# Allegro board hdk2_0-hmd-2-pvt-l8-0526p1530.brd (continued)
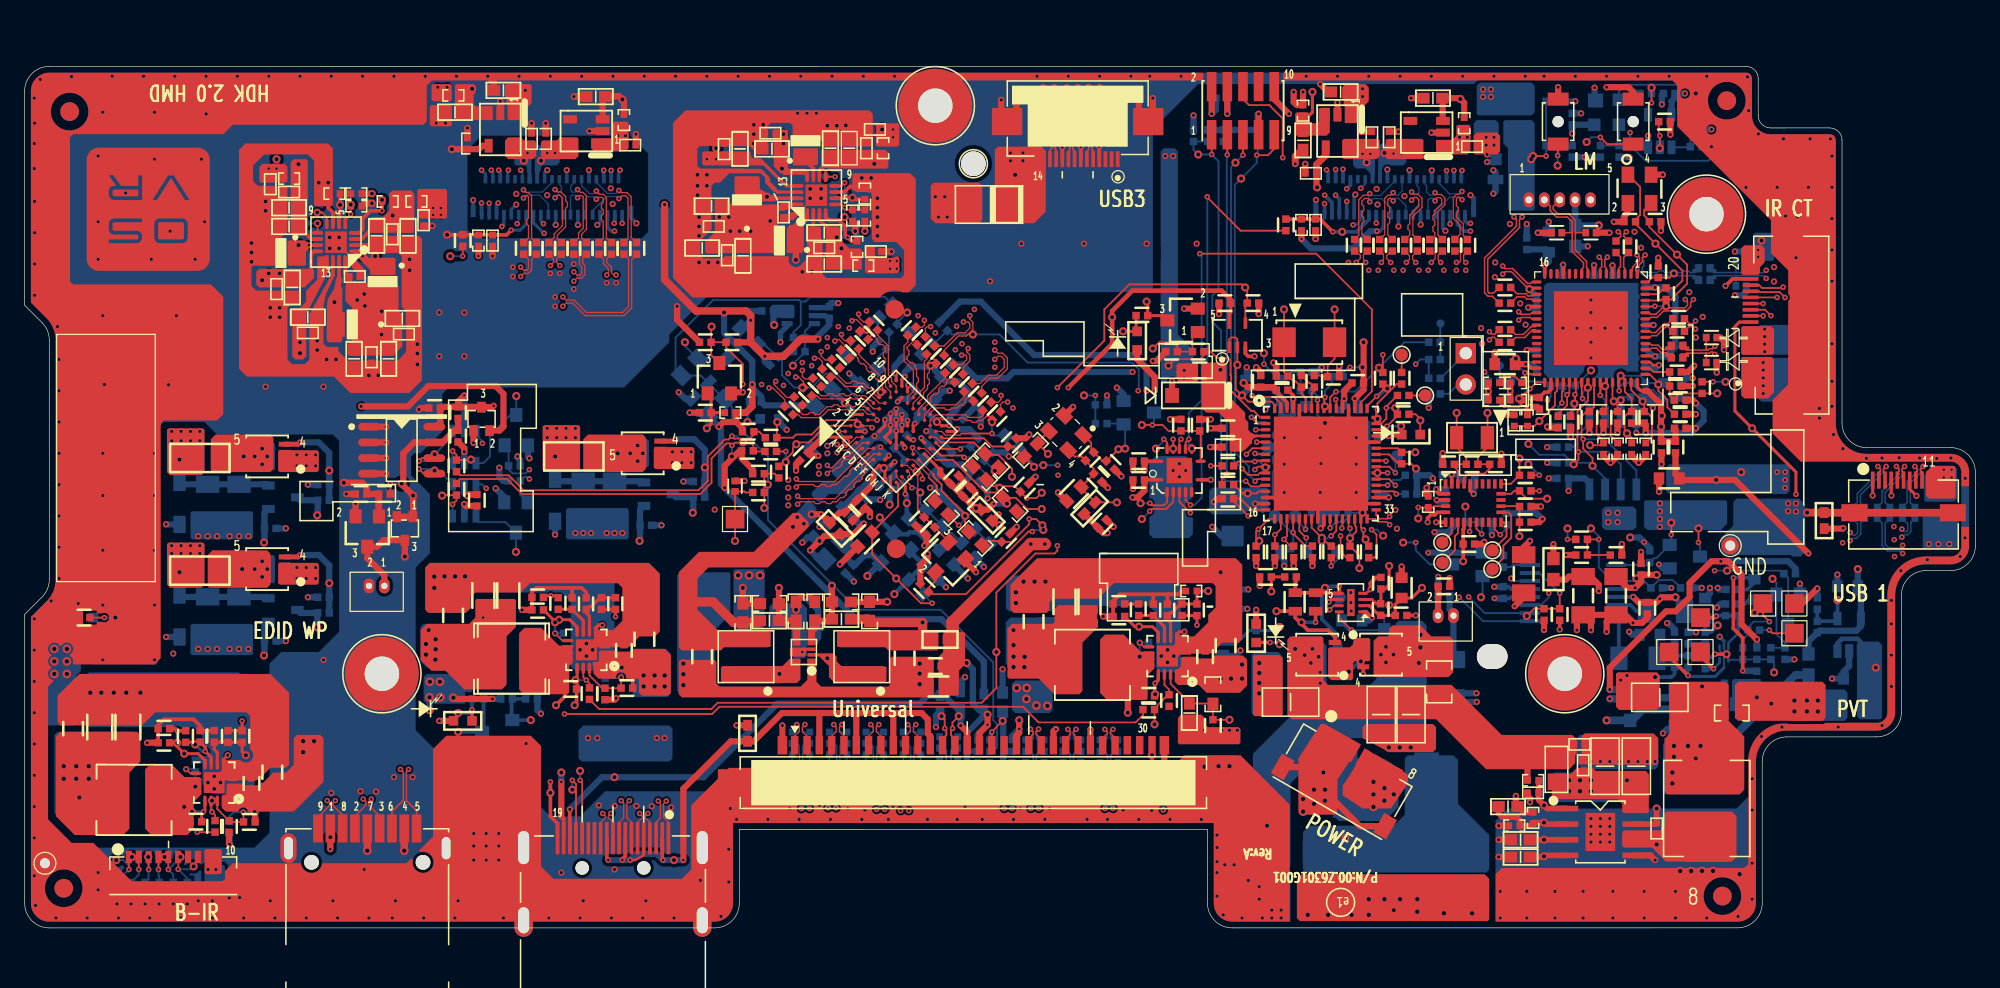
[diagram p0: board, top side]
## Routing (per net, layer and track width the routed paths; a pad name or vN(x,y) marks a point on that pad's centre or on a via; arc(x,y) is an arc through that point) (continued)
LED3: length 171.9
  TOP w0.152: J69.3 v2(10.06,4.74) ; v2(141.09,50.68) J68.14
  L4_IN2 w0.152: v2(141.09,50.68) 141.51,50.68 142.39,49.8 142.39,42.95 138.78,39.34 138.78,33.17 140.21,31.74 140.21,27.52 137.57,24.87 135.25,24.87 134.52,25.6 122.63,25.6 121.95,24.91 117.57,24.91 112.19,19.53 106.32,19.53 104.44,17.65 89.2,17.65 88.41,16.86 81.15,16.86 80.16,17.85 72.79,17.85 72.03,18.61 54.1,18.61 52.4,16.91 40.66,16.91 39.19,15.44 27.18,15.44 23.1,11.36 19.11,11.36 14.43,6.67 11.99,6.67 v2(10.06,4.74)
  BOTTOM w0.152: C1005.2 10.06,3.97 v2(10.06,4.74) 10.06,5.16 10.03,5.19 v1(10.03,5.76)
LED4: length 172.6
  TOP w0.152: J69.4 v2(10.86,4.74) ; v2(142.23,51.18) J68.15
  L4_IN2 w0.152: v2(10.86,4.74) 12.49,6.37 14.63,6.37 17.17,8.91 17.85,8.91 20,11.05 23.23,11.05 27.3,15.13 39.31,15.13 40.79,16.6 52.52,16.6 54.22,18.31 71.9,18.31 72.67,17.54 80.03,17.54 81.02,16.55 88.54,16.55 89.33,17.34 104.57,17.34 106.44,19.21 112.3,19.21 117.7,24.61 122.07,24.61 122.76,25.29 134.39,25.29 135.12,24.55 137.69,24.55 140.52,27.38 140.52,31.87 139.09,33.3 139.09,39.21 142.69,42.82 142.69,50.72 v2(142.23,51.18)
  BOTTOM w0.152: C1006.2 10.92,4.2 10.86,4.25 v2(10.86,4.74) 10.86,5.27 v1(11.35,5.76)
LED5: length 175.4
  TOP w0.152: v2(142.87,51.17) 142.43,51.61 140.82,51.61 140.75,51.68 J68.16 ; J69.5 v2(11.66,4.74)
  L4_IN2 w0.152: v2(142.87,51.17) 143,51.05 143,42.69 139.39,39.09 139.39,33.44 140.84,31.99 140.84,26.26 137.69,23.11 130.4,23.11 128.52,24.99 122.89,24.99 122.2,24.3 117.88,24.3 112.47,18.89 106.55,18.89 104.7,17.04 90.18,17.04 88.8,15.65 80.48,15.65 78.9,17.24 72.54,17.24 71.78,18 54.35,18 52.65,16.3 40.91,16.3 39.44,14.83 27.43,14.83 23.35,10.75 20.12,10.75 17.98,8.6 17.29,8.6 14.75,6.06 12.98,6.06 v2(11.66,4.74)
  BOTTOM w0.152: C1007.2 12.06,4.34 v2(11.66,4.74) 12.68,5.76 v1(12.65,5.76)
LED6: length 175.7
  TOP w0.152: J68.17 140.77,52.18 141.01,51.94 142.65,51.94 v2(142.72,52.01) ; J69.6 v2(12.46,4.76)
  L4_IN2 w0.152: v2(142.72,52.01) 143.3,51.43 143.3,42.57 139.76,39.02 139.76,33.51 141.14,32.12 141.14,26.13 137.82,22.8 130.27,22.8 128.39,24.68 123.19,24.68 122.42,23.92 117.98,23.92 112.63,18.57 106.66,18.57 104.81,16.72 90.3,16.72 88.93,15.35 80.35,15.35 78.76,16.93 72.41,16.93 71.65,17.7 54.48,17.7 52.78,15.99 41.04,15.99 39.57,14.52 27.56,14.52 23.48,10.44 20.27,10.44 18.13,8.3 17.42,8.3 14.88,5.76 13.46,5.76 v2(12.46,4.76)
  BOTTOM w0.152: C1008.2 13.2,4.02 v2(12.46,4.76) 13.48,4.76 v1(13.71,5)
LTC_G1: length 6.4
  TOP w0.305: Q20.4 106.34,23.62 105.79,24.17 104.14,24.17 103.12,25.19 R508.2 v1(101.6,25.71)
LTC_G2: length 8.4
  TOP w0.305: Q19.4 v2(108.64,20.61) ; R507.1 v2(104.77,24.81)
  L3_IN1 w0.305: v2(108.64,20.61) 108.64,20.94 v2(104.77,24.81)
  BOTTOM w0.305: v2(104.77,24.81) v1(103.63,24.81)
LTC_GATE: length 12.1
  TOP w0.305: R511.1 103.21,28.11 103.12,28.02 R508.1 R507.2 105.66,27.21 105.71,27.16 U45.5 106.69,27.71 v2(106.68,27.73)
  BOTTOM w0.305: D9.2 106.55,23.79 105.28,25.06 105.28,27.35 v1(105.53,27.6) 105.66,27.73 v2(106.68,27.73)
LTC_OV: length 6.6
  TOP w0.254: v1(113.41,27.6) 112.58,26.78 C632.1 111.24,26.26 R513.1 110.07,25.37 R512.2 109.91,25.38 109.14,26.16 U45.2
LTC_SHDNN: length 8
  TOP w0.152: U45.8 106.69,25.17 107.69,24.18 v2(107.69,24.17)
  BOTTOM w0.152: C602.1 106.89,24.72 107.44,24.17 v2(107.69,24.17) 110.21,24.17 R509.2 110.35,25.17 110.74,25.56 v1(110.74,26.21)
LTC_UV: length 5.1
  TOP w0.254: v1(110.74,29.38) 110.74,27.86 110.4,27.51 R510.2 110.08,26.35 R512.1 109.68,26.32 109.34,26.66 U45.3
MCU_EDID_R: length 12.2
  TOP w0.152: v1(92.83,45.64) 93.37,46.17 95.4,46.17 95.72,46.49 R1092.1 96.26,46.78 96.77,46.27 97.66,46.27 97.86,46.07 97.86,44.87 97.91,44.82 97.91,43.6 99.56,41.95 99.77,41.95 100.29,41.44 U12.1
MCU_LEVEL SHIFT_OE: length 19.4
  TOP w0.152: U12.63 101.95,42.56 101.42,43.1 99.72,43.1 v2(99.62,43.2)
  L4_IN2 w0.152: v2(99.62,43.2) 99.16,43.2 98.62,42.66 87.46,42.66 v2(86.9,43.22)
  BOTTOM w0.152: v1(85.98,43.22) v2(86.9,43.22) R749.2 R751.2
MCU_PANEL_RESET: length 41.6
  TOP w0.152: v2(94.48,39.67) 94.22,39.41 U55.10 ; U12.50 108.45,42.66 109.34,43.55 109.34,50.21 104.82,54.73 v2(95.37,54.73)
  BOTTOM w0.152: v2(95.37,54.73) 95.53,54.58 95.53,42.84 94.48,41.8 v2(94.48,39.67) 94.48,39.16 v1(94.74,38.91)
MCU_WP_DIS: length 82.8
  TOP w0.152: R1148.1 v2(29.68,36.07) ; U12.5 v2(99.99,39.44)
  L3_IN1 w0.152: v2(99.99,39.44) 97.6,41.83 91.06,41.83 85.98,36.75 v2(83.87,36.75)
  L4_IN2 w0.152: v2(29.68,36.07) 31.9,33.85 36.55,33.85 37.26,34.56 59.13,34.56 64.39,39.82 66.39,39.82 66.93,39.29 66.93,38.65 68.37,37.2 72.84,37.2 75.05,39.41 80.77,39.41 83.44,36.75 v2(83.87,36.75)
  BOTTOM w0.152: v2(29.68,36.07) v1(30.6,36.07)
MIC_GND: length 2.4
  TOP w0.508: J18.2 114.71,27.09 114.72,27.09 R548.1
MIC_IN: length 6
  TOP w0.305: TP37.1 137.17,25.19 v2(137.28,25.3)
  BOTTOM w0.203: U33.3 138.27,23.13 139.07,23.93
  BOTTOM w0.305: 139.07,25.35 139.07,23.93 ; 139.07,25.35 R464.1 ; 139.07,25.35 R547.2 137.33,25.35 v2(137.28,25.3)
MIC_IN_C: length 2.5
  BOTTOM w0.305: 139.08,26.29 139.59,26.29 139.95,26.65 C639.2 v1(140.39,25.58)
MIC_IN_R: length 42
  TOP w0.305: v2(139.44,20.87) 139.44,23.54 138.68,24.3 v2(138.68,28.43)
  L4_IN2 w0.305: v2(138.68,28.43) 127.19,28.43 125.42,26.66 120.09,26.66 119.33,25.9 116.52,25.9 J18.1
  BOTTOM w0.305: v2(138.68,28.43) 140.27,28.43 C639.1 140.39,28.05 139.82,27.48 R465.2
  BOTTOM w0.508: C577.2 J18.1 115.96,25.56 115.66,25.86 C578.1 ; v2(139.44,20.87) 140.55,20.87 R463.1
MIC_RESEETN: length 13.7
  BOTTOM w0.152: U35.1 135.14,63.37 R286.2 R287.2 R271.2 135.19,66.66 135.63,67.1 v1(135.63,67.73) 135.63,68.12 135.3,68.45 129.92,68.45 129.39,67.92 U7.2
MIPI_L_DSI0_0N: length 5.6
  TOP w0.104: R1114.1 69.21,48.13 70.1,47.24 70.1,44.87 70.35,44.62 70.35,44.37 70.74,43.99 U57.B9
MIPI_L_DSI0_0P: length 5.6
  TOP w0.104: R1115.1 68.45,47.82 68.71,48.08 68.91,48.08 69.19,47.79 69.19,47.58 69.41,47.36 69.63,47.36 69.85,47.14 69.85,46.82 69.7,46.67 69.7,46.36 69.85,46.21 69.85,45.9 69.7,45.75 69.7,45.44 69.85,45.29 69.85,44.77 70.1,44.52 70.1,44.26 70.28,44.09 U57.A9
MIPI_L_DSI0_1N: length 5
  TOP w0.104: R1112.1 67.69,46.55 69.67,44.57 69.87,44.36 69.87,43.93 70.28,43.53 U57.B8
MIPI_L_DSI0_1P: length 5
  TOP w0.104: U57.A8 69.82,43.63 69.62,43.83 69.62,44.26 69.4,44.48 69.19,44.48 68.96,44.7 68.96,44.91 68.74,45.13 68.53,45.13 68.31,45.36 68.31,45.57 68.09,45.79 67.88,45.79 67.66,46.01 67.66,46.22 67.32,46.55 67.13,46.55 66.93,46.36 R1113.1
MIPI_L_DSI0_2N: length 5.9
  TOP w0.102: U57.B6 68.9,42.14 68.09,42.94
  TOP w0.104: 68.09,42.94 64.56,42.94 64.31,43.2 R1108.1
MIPI_L_DSI0_2P: length 5.9
  TOP w0.102: 66.51,43.32 66.63,43.2 66.94,43.2 67.09,43.35 67.41,43.35 67.55,43.2 68.2,43.2 68.56,42.83 68.66,42.83 U57.A6
  TOP w0.104: 66.51,43.32 66.48,43.35 66.17,43.35 66.02,43.2 65.71,43.2 65.56,43.35 65.25,43.35 65.1,43.2 64.66,43.2 64.33,43.53 64.33,43.71 64.59,43.96 R1109.1
MIPI_L_DSI0_3N: length 7.1
  TOP w0.104: R1106.1 62.78,41.67 63.04,41.42 64.59,41.42 65.23,42.06 68.07,42.06 68.44,41.68 U57.B5
MIPI_L_DSI0_3P: length 7.1
  TOP w0.102: U57.A5 68.34,42.14 68.17,42.31 67.99,42.31 67.92,42.38
  TOP w0.104: R1107.1 62.9,42.22 62.9,41.91 63.14,41.67 63.56,41.67 63.71,41.82 64.02,41.82 64.17,41.67 64.49,41.67 65.12,42.31 65.53,42.31 65.68,42.46 65.99,42.46 66.14,42.31 66.45,42.31 66.6,42.46 66.91,42.46 67.06,42.31 67.37,42.31 67.52,42.46 67.84,42.46 67.92,42.38
MIPI_L_DSI0_CN: length 5.3
  TOP w0.104: U57.B7 69.35,42.6 67.99,43.96 66.57,43.96 65.81,44.72 R1110.1
MIPI_L_DSI0_CP: length 5.3
  TOP w0.104: U57.A7 69.27,43.06 69.26,43.06 69.25,43.06 68.92,43.39 68.92,43.6 68.7,43.82 68.49,43.82 68.1,44.21 67.6,44.21 67.45,44.36 67.14,44.36 66.99,44.21 66.68,44.21 65.79,45.1 65.79,45.27 66,45.48 R1111.1
MIPI_R_DSI1_0N: length 5.5
  TOP w0.104: R1124.1 77.77,41.6 77.61,41.45 76.56,41.45 76.35,41.65 73.94,41.65 73.49,41.21 U57.H9
MIPI_R_DSI1_0P: length 5.5
  TOP w0.104: U57.H10 73.95,41.31 74.04,41.39 74.35,41.39 74.5,41.25 74.82,41.25 74.97,41.39 75.28,41.39 75.43,41.25 75.74,41.25 75.89,41.39 76.25,41.39 76.45,41.19 76.76,41.19 76.91,41.04 77.23,41.04 77.38,41.19 77.72,41.19 78.05,41.52 78.33,41.52 78.53,41.32 R1125.1
MIPI_R_DSI1_1N: length 4.7
  TOP w0.104: U57.G9 73.03,41.69 73.81,42.46 75.58,42.46 76.25,43.12 R1122.1
MIPI_R_DSI1_1P: length 4.7
  TOP w0.104: U57.G10 73.49,41.79 73.91,42.21 74.62,42.21 74.77,42.06 75.08,42.06 75.23,42.21 75.69,42.21 75.92,42.44 76.13,42.44 76.35,42.66 76.35,42.87 76.6,43.12 76.83,43.12 77.01,42.95 R1123.1
MIPI_R_DSI1_2N: length 4.9
  TOP w0.104: R1118.1 73.2,46.17 73.02,45.99 73.02,43.86 72.69,43.53 72.69,43.17 72.11,42.6 U57.E9
MIPI_R_DSI1_2P: length 4.9
  TOP w0.104: R1119.1 73.96,46.02 73.81,46.17 73.56,46.17 73.28,45.89 73.28,45.57 73.43,45.42 73.43,45.11 73.28,44.96 73.28,44.65 73.43,44.5 73.43,44.19 73.28,44.04 73.28,43.75 72.95,43.42 72.95,43.07 72.57,42.7 U57.E10
MIPI_R_DSI1_3N: length 6.1
  TOP w0.104: U57.D9 71.65,43.08 72.13,43.55 72.13,45.26 71.37,46.02 71.37,47.24 71.67,47.54 R1116.1
MIPI_R_DSI1_3P: length 6.1
  TOP w0.104: R1117.1 72.44,47.49 72.26,47.67 72.16,47.67 71.62,47.14 71.62,47 71.77,46.85 71.77,46.53 71.62,46.38 71.62,46.12 71.85,45.9 72.06,45.9 72.28,45.68 72.28,45.47 72.39,45.36 72.39,44.79 72.54,44.65 72.54,44.33 72.39,44.18 72.39,43.45 72.11,43.18 U57.D10
MIPI_R_DSI1_CN: length 4.3
  TOP w0.104: U57.F9 72.57,42.14 73.28,42.84 73.28,43.2 74.72,44.65 R1120.1
MIPI_R_DSI1_CP: length 4.2
  TOP w0.104: U57.F10 73.03,42.24 73.53,42.74 73.53,43.1 73.75,43.32 73.96,43.32 74.18,43.54 74.18,43.75 74.4,43.97 74.62,43.97 74.84,44.19 74.84,44.4 75.08,44.65 75.28,44.65 75.48,44.44 R1121.1
NHOLD: length 8.4
  BOTTOM w0.152: U47.7 128.27,36.49 127,37.76 R527.1 125.31,38.05 124.96,38.4 122.93,38.4 v1(122.04,39.29)
NRST: length 55.5
  TOP w0.152: J6.6 98.88,67.28 99.36,66.79 101.01,66.79 102.1,65.7 v2(102.1,62.53) ; v2(104.93,42.84) 104.95,42.82 U12.57
  L4_IN2 w0.152: v2(104.93,42.84) 104.93,43.13 105.97,44.16 109.58,44.16 118.49,53.07 118.49,61.13 116.2,63.42 102.99,63.42 v2(102.1,62.53)
  BOTTOM w0.152: v1(105.53,40.99) 104.93,41.59 v2(104.93,42.84) 104.93,43.16 R303.2
NRST_R: length 63.7
  L3_IN1 w0.152: v2(130.3,64.56) 129.49,63.75 122.65,63.75 118.74,59.84 118.74,51.72 116.95,49.93 114.91,49.93 112.01,47.03 109.93,47.03 109.55,46.65 109.55,45.97 108.48,44.9 101.44,44.9 v2(100.58,45.76)
  BOTTOM w0.152: v2(130.3,64.56) 130.3,63.54 131.57,62.27 136.65,62.27 137.36,62.98 137.36,65.37 136.52,66.21 R271.1 ; v1(100.58,46.65) v2(100.58,45.76) 101.72,44.62 D7.A 102.36,44.62 102.87,45.13 R309.1 R303.1 103.54,43.46 104.01,43 C220.1
NWP: length 2.3
  BOTTOM w0.152: R526.1 129.79,43.1 v1(129.54,42.84) 129.54,41.45
OSC_REFCLK: length 8.5
  TOP w0.152: U57.K9 74.51,39.74 77.85,39.74 78.51,39.08 C759.1 80.26,39.08 R804.1 v1(81.92,37.42)
OVDD_COM_L: length 5.8
  BOTTOM w0.254: J20.4 38,61.38 v2(37.87,61.51)
  BOTTOM w0.305: J20.5 38.3,58.72 v2(38.43,58.84) ; v2(38.48,61.51) 38.6,61.39 J20.6 ; J20.34 v2(47,61.5) ; J20.35 47.3,56.88 47.62,56.56 v2(47.88,56.56) ; J20.36 v2(47.6,61.49)
  vias: v2(33.14,58.44) v2(33.14,57.88) v2(33.78,58.44) v2(33.78,57.88)
OVDD_COM_R: length 5.5
  BOTTOM w0.305: J71.34 v2(115.4,61.48) ; J71.36 v2(116,61.49) ; J71.4 v2(106.4,61.56) ; J71.5 106.7,59.17 v2(106.39,59.48) ; v2(115.69,57.14) 115.69,57.12 115.7,57.12 J71.35 ; J71.6 v2(107,61.59)
  vias: v2(70.23,54.15) v2(70.23,53.51) v2(70.79,54.15) v2(70.79,53.51)
OVSS_COM_L: length 5.7
  BOTTOM w0.254: J20.38 48.2,61.38 v2(48.33,61.51) ; v2(37.08,61.51) 37.4,61.19 J20.2
  BOTTOM w0.305: J20.39 v2(48.5,57.19) ; J20.3 v2(37.7,58.83) ; v2(37.08,58.84) 37.08,57.91 J20.1 ; J20.37 47.9,57.24 v2(47.85,57.19)
  BOTTOM w0.508: v2(20.44,61.64) v1(20.44,62.4)
  vias: v2(19.81,61.64)
OVSS_COM_R: length 8.3
  BOTTOM w0.305: J71.38 116.6,61.43 v2(116.66,61.49) ; J71.37 116.3,57.1 116.84,56.56 v2(117.34,56.56) ; J71.2 105.8,61.4 v2(105.66,61.54) ; v2(105.51,59.48) 106.1,58.89 J71.3 ; v2(117.34,57.19) 117.09,57.19 116.9,57.39 J71.39 ; J71.1 v2(105.5,58.79)
  BOTTOM w0.508: v2(70.48,64.81) v1(69.59,64.81)
  vias: v2(70.48,64.18)
PANEL_RESET: length 101.5
  TOP w0.152: v2(94.61,34.33) 94.22,34.72 U55.5 ; R830.1 98.69,56.6 95.98,59.3 v2(95.98,59.35) ; R65.2 v2(35.56,54.53)
  L6_IN3 w0.152: v2(95.98,59.35) 83.05,59.35 75.82,52.11 55.62,52.11 52.32,55.42 36.45,55.42 v2(35.56,54.53)
  BOTTOM w0.152: v2(94.61,34.33) 94.94,34.33 95.53,34.92 95.53,42.23 95.98,42.69 v2(95.98,59.35) ; v2(35.56,54.53) v1(34.54,54.53)
PC_I2C_SCL: length 56.4
  TOP w0.152: U12.17 100.97,33.2 v2(100.14,32.37) 99.95,32.17 R353.2 ; v2(122.93,35.48) R468.2
  L4_IN2 w0.152: v2(112.9,45.76) 115.82,42.84 119,42.84 120.39,44.24 122.95,44.24 124.02,43.17 124.02,42.23 124.71,41.55 124.71,36.62 123.57,35.48 v2(122.93,35.48) 122.81,35.48 120.6,37.69 113.02,37.69 112.35,38.36 109.96,38.36 105.28,33.67 101.44,33.67 v2(100.14,32.37)
  BOTTOM w0.152: v2(112.9,45.76) 113.28,46.14 R539.1 R531.1 ; v1(100.2,31.41) 100.2,32.3 v2(100.14,32.37)
PC_I2C_SCL_CON: length 2.9
  BOTTOM w0.152: R539.2 R553.2 114.89,49.05 TP104.1
PC_I2C_SCL_R: length 4.1
  TOP w0.152: v1(123.57,34.84) 121.92,34.84 121.32,35.44 R468.1 120.9,35.48 120.66,35.24 U41.19
PC_I2C_SD_CON: length 2.2
  BOTTOM w0.152: R540.2 R554.2 119.72,45.62 TP105.1
PC_I2C_SDA: length 44.3
  TOP w0.152: U12.16 99.58,33.94 98.68,34.84 R94.2 98.13,34.63 v2(99.31,33.44) ; v2(122.93,36.75) R469.2
  L4_IN2 w0.152: v2(99.31,33.44) 99.56,33.44 100.3,34.18 105.32,34.18 109.82,38.68 112.49,38.68 113.18,37.99 120.8,37.99 122.04,36.75 v2(122.93,36.75) 123.31,36.75 124.41,37.84 124.41,41.34 123.59,42.16 v2(123.59,42.84)
  BOTTOM w0.152: v1(122.04,37.64) v2(122.93,36.75) ; R540.1 123.48,44.37 R532.1 123.86,43.11 v2(123.59,42.84)
PC_I2C_SDA_R: length 3.1
  TOP w0.152: v1(121.32,38.11) R469.1 120.62,36.05 U41.20
PC_SPI_MISO: length 2.3
  TOP w0.152: v2(103.95,32.36) U12.22
  BOTTOM w0.152: v2(103.95,32.36) 103.12,33.19 TP57.1
PC_SPI_MOSI: length 2.9
  TOP w0.152: v2(104.01,31.67) 103.45,32.22 U12.21
  BOTTOM w0.152: TP56.1 v2(104.01,31.67)
PC_SPI_SCK: length 2
  TOP w0.152: R115.2 v2(106.04,29.38)
  BOTTOM w0.152: v2(106.04,29.38) 106.55,29.89 TP58.1
PC_SPI_SSN: length 6.6
  TOP w0.152: R369.2 103.97,30.99 102.95,32.01 v2(102.95,32.1) U12.20
  BOTTOM w0.152: R1160.1 102.95,30.99 v2(102.95,32.1) 102.82,32.1 TP55.1
PCKIN: length 14.3
  TOP w0.152: U57.K1 70.89,36.01 70.89,34.23 C761.1 68.78,30.32 v1(70.74,28.36) 72.74,26.36 v2(73.66,26.36)
  BOTTOM w0.152: C756.2 v2(73.66,26.36)
PDI_DATA: length 3.6
  TOP w0.152: U12.56 105.45,42.99 v2(105.53,43.07)
  BOTTOM w0.152: R83.2 106.08,44.15 105.53,43.6 v2(105.53,43.07) v1(105.53,42.33)
PDI_DATA_R: length 46.7
  TOP w0.152: v2(97.61,62.76) J6.3 ; R86.2 97.19,36.45 v2(97.57,36.84)
  L4_IN2 w0.152: v2(107.57,45.51) 107.18,45.13 106.07,45.13 101.88,40.94 99.56,40.94 97.57,38.94 v2(97.57,36.84)
  BOTTOM w0.152: v2(97.57,36.84) 97.57,62.72 v2(97.61,62.76) 97.61,63.51 R267.1 ; v1(108.58,45.51) v2(107.57,45.51) 107.44,45.51 107.02,45.09 R83.1
PE_I2C_SCL: length 97.4
  TOP w0.152: U12.37 v2(110.61,35.94) ; U55.13 92.72,39.4 v2(92.45,39.67)
  L3_IN1 w0.152: v2(40.97,37.2) 41.12,37.05 41.42,37.05 41.58,37.2 41.58,41.01 42.19,41.62 53.16,41.62 53.46,41.32 54.38,41.32 54.68,41.62 64.44,41.62 64.89,42.08 66.42,42.08 70.23,45.89 71.75,45.89 77.09,40.56 77.09,40.25 79.79,37.54 80.25,37.54 81.66,36.14 86.23,36.14 88.82,38.73 92.63,38.73 92.78,38.88 92.78,39.34 v2(92.45,39.67) 92.66,39.67 92.78,39.79 92.78,40.25 93.47,40.94 95.12,40.94 95.75,40.3 95.75,36.14 96.16,35.73 99.82,35.73 100.83,34.71 108.96,34.71 110.18,35.94 v2(110.61,35.94)
  BOTTOM w0.152: Q30.3 39.28,38.84 R1086.2 39.28,37.22 39.6,36.9 40.66,36.9 v2(40.97,37.2) ; v1(91.82,38.91) 92.45,39.54 v2(92.45,39.67) ; v2(110.61,35.94) 111.04,36.37 111.67,36.37 R96.2
PE_I2C_SDA: length 96.2
  TOP w0.152: v2(93.21,39.67) 93.22,39.66 U55.12 ; U12.36 111.11,35.44 v2(111.32,35.22)
  L3_IN1 w0.152: v2(40.97,36.44) 41.27,36.75 41.58,36.75 41.9,37.07 41.9,40.88 42.32,41.3 53.02,41.3 53.31,41.01 54.53,41.01 54.82,41.3 64.57,41.3 65.03,41.76 66.55,41.76 70.38,45.59 71.6,45.59 76.78,40.4 76.78,40.1 79.68,37.2 80.13,37.2 81.51,35.83 86.38,35.83 88.97,38.42 92.78,38.42 93.09,38.73 93.09,39.54 v2(93.21,39.67) 93.09,39.79 93.09,40.05 93.67,40.63 94.92,40.63 95.42,40.12 95.42,36.02 96.02,35.43 99.67,35.43 100.69,34.41 109.09,34.41 110.16,35.48 111.07,35.48 v2(111.32,35.22)
  BOTTOM w0.152: Q31.3 40.22,35.16 R1090.2 40.22,36.3 40.51,36.59 40.81,36.59 v2(40.97,36.44) ; v2(111.32,35.22) R95.2 ; v1(93.21,38.91) v2(93.21,39.67)
PFIL: length 7.6
  TOP w0.102: v2(72.01,35.73) 72.01,35.82 U57.K2
  BOTTOM w0.152: v2(72.01,35.73) 72.31,35.73 v1(72.69,35.35) 72.69,34.44 C763.1 74.34,32.78 74.37,32.78 C762.1 75.11,32.05 75.25,32.05 R808.2
POWER_USB_CON:
  vias: v1(122.27,62.4)
PS_PGD_2V5: length 75.9
  TOP w0.152: U12.26 v2(105.95,32.47) ; R107.2 46.62,17.77 55.74,17.77 56.25,18.28 77.67,18.28 78.86,19.47 v1(78.86,22.4) 78.86,27.22 82.04,30.4 83.6,30.4 83.82,30.62 v2(83.82,31.03)
  L3_IN1 w0.152: v2(83.82,31.03) 83.97,31.18 98.19,31.18 98.93,31.92 100.58,31.92 101.7,33.04 105.38,33.04 v2(105.95,32.47)
  BOTTOM w0.152: v1(108.58,33.7) R352.2 107.4,33.32 107.02,32.94 106.42,32.94 v2(105.95,32.47)
RBIAS: length 2.6
  TOP w0.152: U46.64 131.72,52.43 132.08,52.79 R523.2 133.51,52.79 v1(133.85,53.13)
RESET_COM_L: length 7.5
  TOP w0.305: v1(34.29,56.27) R65.1 35.57,56.25 R700.2 C701.2 39.11,56.25 v2(39.49,56.63)
  BOTTOM w0.254: J20.13 40.7,57.13 40.2,56.63 v2(39.49,56.63)
RESET_COM_R: length 8
  TOP w0.305: v2(106.17,56.51) 105.15,57.52 C807.2 R825.2 102.37,57.52 R830.2
  BOTTOM w0.305: J71.13 109.1,57.51 108.1,56.51 v1(106.93,56.51) v2(106.17,56.51)
REXT: length 3
  TOP w0.102: U57.A1 v2(66.06,40.3)
  BOTTOM w0.152: v1(66.67,39.44) 66.67,39.69 v2(66.06,40.3) 65,40.3 R762.2
RST_HDMI_A: length 28.9
  TOP w0.152: v2(94.61,33.7) 93.72,34.59 U55.4 ; v2(75.94,38.88) 74.46,38.88 U57.K8
  L4_IN2 w0.152: v2(75.94,38.88) 80.72,38.88 83.61,35.98 86.31,35.98 86.51,36.19 90.45,36.19 92.17,34.46 93.85,34.46 v2(94.61,33.7)
  BOTTOM w0.152: v1(78.74,37.1) 77.9,37.94 R803.2 C760.1 76.14,39.08 v2(75.94,38.88)
RST_N_HDMI_A: length 26.7
  TOP w0.152: v2(93.85,39.67) 93.72,39.54 U55.11 ; v2(109.32,32.33) 109.72,31.92 109.72,30.27 109.51,30.05 R113.2
  L3_IN1 w0.152: v2(93.85,39.67) 93.85,39.92 94.1,40.18 94.74,40.18 95.12,39.79 95.12,35.22 96.26,34.08 99.44,34.08 99.63,33.89 107.76,33.89 v2(109.32,32.33)
  BOTTOM w0.152: v1(110.25,31.84) 109.76,32.33 v2(109.32,32.33)
SFOR0: length 6.2
  BOTTOM w0.152: R87.1 133.77,28.24 132.62,28.24 R79.2 131.23,28.36 v1(130.81,28.36) 130.61,28.17 U36.11
SFOR1: length 7.3
  TOP w0.152: v1(121.92,25.32) 122.51,25.91 R103.2 R92.1 v2(124.58,27.17)
  BOTTOM w0.152: v2(124.58,27.17) 122.95,28.81 U36.7
SM_CLK: length 16.1
  TOP w0.152: U46.38 125.9,44.25 125.9,43.38 v2(125.82,43.3) 125.82,42.23 125.47,41.88 R522.2
  L4_IN2 w0.152: v2(125.82,43.3) 122.85,46.27 118.36,46.27 117.98,46.65 J15.1
  BOTTOM w0.152: R531.2 114.93,44.62 J15.1
SM_DAT: length 6.8
  TOP w0.152: U46.37 125.37,43.47 v2(125.18,43.27) 125.18,42.42 124.46,41.7 R521.2
  BOTTOM w0.152: v1(127.12,45.26) 125.89,44.02 R558.1 124.84,44.02 R532.2 124.8,43.66 v2(125.18,43.27)
SPI_MISO: length 3.9
  TOP w0.152: U46.42 v2(127.87,43.24)
  BOTTOM w0.152: v1(128.27,43.99) 127.87,43.59 v2(127.87,43.24) 128.27,42.84 U47.2
SPI_MOSI: length 14.6
  TOP w0.152: U46.41 127.37,42.29 R528.1 126.74,41.92 126.36,41.53 126.36,39.79 v2(126.49,39.67) 126.49,38.91 127.25,38.14 v1(127.25,37.51)
  BOTTOM w0.152: v2(126.49,39.67) 128.27,39.67 130.81,37.13 U47.5
SPI_NCE: length 7.5
  TOP w0.152: v2(126.44,42.97) 126.44,42.98 126.37,43.05 U46.39
  BOTTOM w0.152: v1(126.87,43.86) 126.44,43.43 v2(126.44,42.97) 127,42.41 U47.1 127,40.94 125.98,39.92 125.98,39.36 125.65,39.03 R555.1
SPI_SCK: length 13.1
  TOP w0.152: v1(125.73,37.64) 126.11,38.02 v2(126.11,38.65) 126.03,38.73 126.03,41.95 126.87,42.8 U46.40
  BOTTOM w0.152: 129.54,35.6 129.54,37.64 128.52,38.65 v2(126.11,38.65)
SSTXM_C_DN1: length 44.7
  TOP w0.127: C612.1 129.54,56.14 129.54,56.3 v2(129.33,56.51)
  L6_IN3 w0.117: v2(148.15,31.44) 147.94,31.65 147.3,31.65 145.44,33.52 145.06,33.9 145.06,36.61 142.24,39.44 142.24,41.4 142.12,41.51 141.78,41.51 141.51,41.78 141.51,42.41 141.78,42.67 142.12,42.67 142.24,42.79 142.24,50.21 141.22,51.22 140.6,51.22 140.27,50.9 139.9,50.9 139.45,51.34 139.45,51.72 140.01,52.27 140.01,52.44 139.71,52.73 139.55,52.73 138.99,52.18 138.62,52.18 138.17,52.62 138.17,53 138.35,53.18 138.35,53.59 138.05,53.89 134.11,53.89 132.28,55.72 129.84,55.72 129.54,56.03 129.54,56.3 v2(129.33,56.51)
  BOTTOM w0.127: v2(148.15,31.44) 148.34,31.62 148.67,31.62 149.02,31.97 149.02,32.91 R734.1
SSTXM_C_DN1_R: length 5.6
  TOP w0.127: J101.3 150.99,36.96 150.87,37.08 150.87,37.25 v2(151.08,37.46)
  BOTTOM w0.127: R734.2 148.99,34.51 148.99,35.15 150.85,37 150.85,37.23 v2(151.08,37.46)
SSTXM_C_DN3: length 52.9
  TOP w0.127: C609.1 119.11,51.28 118.76,51.28 118.49,51.55 118.49,54.38 121.07,56.96 121.07,57.52 v2(120.87,57.72)
  L6_IN3 w0.117: v2(120.87,57.72) 121.07,57.92 121.07,64.26 119.2,66.13 104.47,66.13 104.01,66.59 86.94,66.59 86.66,66.87 86.66,67.3 v2(86.48,67.48)
  BOTTOM w0.127: v2(86.48,67.48) 86.69,67.28 86.69,66.74 R740.1
SSTXM_C_DN3_R: length 3.6
  TOP w0.127: J22.6 86.22,63.05 86.36,63.19 86.36,63.76 v2(86.15,63.97)
  BOTTOM w0.127: R740.2 86.69,65.17 86.69,64.87 86.36,64.54 86.36,64.17 v2(86.15,63.97)
SSTXM_C_UP: length 97.1
  TOP w0.127: v2(135.61,49.27) 135.39,49.05 135.1,49.05 C604.2
  L6_IN3 w0.117: v2(86.02,10.51) 86.17,10.66 87.32,10.66 87.75,11.09 100.07,11.09 105.09,16.11 128.56,16.11 135.23,22.78 137.66,22.78 140.94,26.05 140.94,36.12 138.81,38.25 138.81,40.53 138.54,40.79 138.03,40.79 137.91,40.91 137.91,41.32 138.03,41.44 138.54,41.44 138.81,41.71 138.81,42.33 138.54,42.6 137.64,42.6 137.53,42.72 137.53,43.13 137.64,43.25 138.54,43.25 138.81,43.52 138.81,47.14 136.86,49.09 135.78,49.09 v2(135.61,49.27)
  BOTTOM w0.127: R615.2 84.63,14.34 84.87,14.1 84.87,11.2 85.36,10.71 85.82,10.71 v2(86.02,10.51)
SSTXM_C_UP_A: length 3
  TOP w0.127: J1.23 84.5,15.35 84.87,15.72 84.87,15.92 v2(84.67,16.12)
  BOTTOM w0.127: v2(84.67,16.12) 84.87,15.92 84.87,15.39 84.74,15.26 R615.1
SSTXM_C_UP_B: length 67.2
  TOP w0.127: v2(25.22,10.33) 25.02,10.13 25.02,9.95 25.81,9.16 J4.8
  L6_IN3 w0.117: v2(25.22,10.33) 25.02,10.13 25.02,9.95 25.27,9.7 25.62,9.7 25.76,9.83 26.11,9.83 26.24,9.7 26.6,9.7 26.73,9.83 27.08,9.83 27.22,9.7 27.57,9.7 27.71,9.83 28.06,9.83 28.2,9.7 28.55,9.7 28.68,9.83 29.03,9.83 29.17,9.7 29.52,9.7 29.66,9.83 30.01,9.83 30.15,9.7 30.5,9.7 30.63,9.83 30.98,9.83 31.12,9.7 31.87,9.7 32.12,9.94 32.12,10.14 32.37,10.39 32.56,10.39 32.81,10.63 32.81,10.83 33.06,11.08 33.25,11.08 33.52,11.35 56.13,11.35 56.84,10.64 81.09,10.64 82.31,11.85 84.2,11.85 84.87,12.53 84.87,12.75 84.75,12.87 v2(84.27,12.87)
  BOTTOM w0.127: R636.1 v2(84.27,12.87)
SSTXP_C_DN1: length 44.7
  TOP w0.127: C614.1 129.79,56.14 129.79,56.3 v2(129.99,56.51)
  L6_IN3 w0.117: v2(148.15,32.1) 147.96,31.91 147.41,31.91 147.13,32.18 147.13,32.38 146.88,32.62 146.69,32.62 146.44,32.87 146.44,33.07 146.19,33.31 146,33.31 145.62,33.7 145.31,34 145.31,34.35 145.45,34.49 145.45,34.84 145.31,34.98 145.31,35.33 145.45,35.46 145.45,35.82 145.31,35.95 145.31,36.72 145.06,36.97 145.06,37.16 144.82,37.41 144.62,37.41 144.37,37.66 144.37,37.85 144.13,38.1 143.93,38.1 143.68,38.35 143.68,38.54 143.44,38.79 143.24,38.79 142.49,39.54 142.49,41.5 142.23,41.77 141.88,41.77 141.77,41.89 141.77,42.3 141.88,42.42 142.23,42.42 142.49,42.68 142.49,50.31 141.33,51.48 140.49,51.48 140.17,51.15 140,51.15 139.71,51.45 139.71,51.61 140.26,52.17 140.26,52.54 139.82,52.99 139.44,52.99 138.89,52.43 138.72,52.43 138.43,52.73 138.43,52.89 138.6,53.07 138.6,53.69 138.15,54.15 134.21,54.15 132.39,55.97 129.95,55.97 129.79,56.13 129.79,56.3 v2(129.99,56.51)
  BOTTOM w0.127: R735.1 148.76,32.81 148.76,32.08 148.56,31.87 148.38,31.87 v2(148.15,32.1)
SSTXP_C_DN1_R: length 5.6
  TOP w0.127: J101.2 150.49,36.95 150.62,37.08 150.62,37.25 v2(150.42,37.46)
  BOTTOM w0.127: R735.2 148.74,34.56 148.74,35.25 150.59,37.11 150.59,37.28 v2(150.42,37.46)
SSTXP_C_DN3: length 53
  TOP w0.127: v2(121.53,57.72) 121.33,57.52 121.33,56.86 118.74,54.27 118.74,51.66 118.87,51.53 119.21,51.53 C610.1
  L6_IN3 w0.117: v2(121.53,57.72) 121.33,57.92 121.33,64.36 119.3,66.39 104.57,66.39 104.11,66.85 91.12,66.85 90.98,66.98 90.63,66.98 90.49,66.85 90.14,66.85 90.01,66.98 89.66,66.98 89.52,66.85 89.17,66.85 89.03,66.98 88.68,66.98 88.54,66.85 88.19,66.85 88.06,66.98 87.71,66.98 87.57,66.85 87.04,66.85 86.92,66.97 86.92,67.25 v2(87.14,67.48)
  BOTTOM w0.127: R741.1 86.94,66.74 86.94,67.28 v2(87.14,67.48)
SSTXP_C_DN3_R: length 3.6
  TOP w0.127: J22.5 86.72,63.07 86.61,63.18 86.61,63.76 v2(86.81,63.97)
  BOTTOM w0.127: v2(86.81,63.97) 86.61,64.17 86.61,64.43 86.94,64.76 86.94,65.17 R741.2
SSTXP_C_UP: length 97.1
  TOP w0.127: C605.2 135.08,48.8 135.41,48.8 v2(135.61,48.61)
  L6_IN3 w0.117: v2(135.61,48.61) 135.84,48.84 136.75,48.84 137.02,48.56 137.02,48.37 137.27,48.12 137.47,48.12 137.71,47.87 137.71,47.68 137.96,47.43 138.16,47.43 138.55,47.03 138.55,46.68 138.42,46.55 138.42,46.2 138.55,46.06 138.55,45.71 138.42,45.57 138.42,45.22 138.55,45.08 138.55,44.73 138.42,44.6 138.42,44.24 138.55,44.11 138.55,43.62 138.44,43.5 137.54,43.5 137.27,43.24 137.27,42.61 137.54,42.35 138.44,42.35 138.55,42.23 138.55,41.81 138.44,41.7 137.92,41.7 137.65,41.43 137.65,40.8 137.92,40.54 138.44,40.54 138.55,40.42 138.55,38.14 140.69,36.01 140.69,26.16 137.56,23.03 135.12,23.03 128.46,16.37 104.99,16.37 102.73,14.11 102.53,14.11 102.28,13.86 102.28,13.66 102.04,13.42 101.84,13.42 101.59,13.17 101.59,12.97 101.35,12.73 101.15,12.73 100.9,12.48 100.9,12.28 100.66,12.04 100.46,12.04 100.21,11.79 100.21,11.59 99.97,11.35 87.65,11.35 87.22,10.91 86.27,10.91 v2(86.02,11.17)